# KiCad board JumperlessRev3.kicad_pcb (continued)
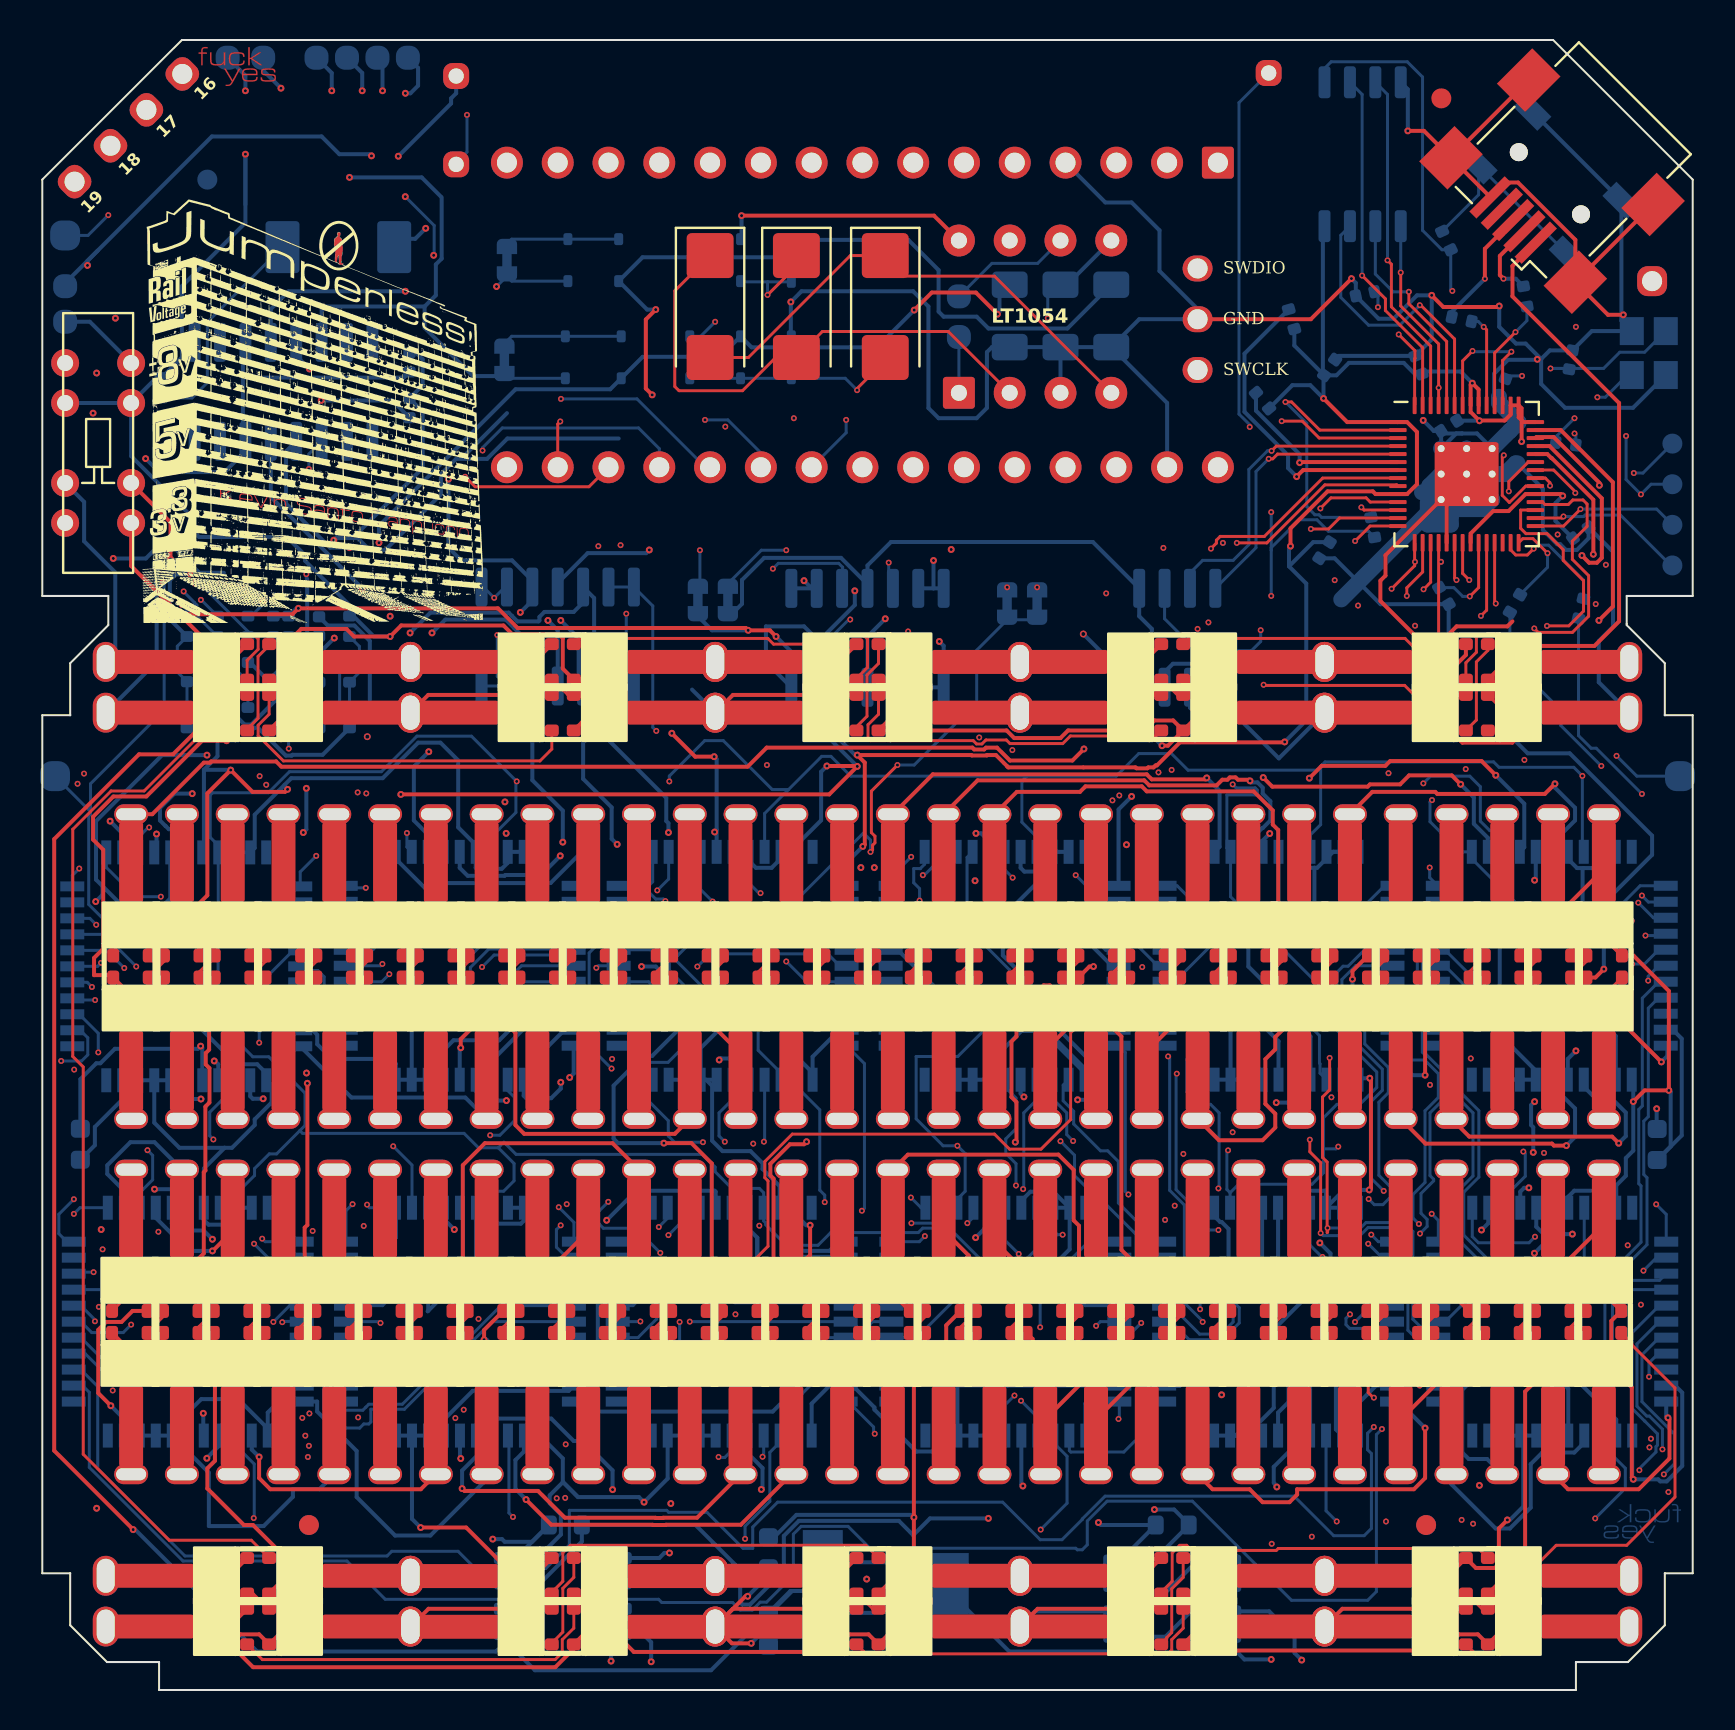
[diagram p0: board, top side]
## Routing (per net, layer and track width the routed paths; a pad name or vN(x,y) marks a point on that pad's centre or on a via; arc(x,y) is an arc through that point) (continued)
UART_Rx: length 56.9
  In1.Cu w0.15: v1(47.88,34.29) 48.13,34.29 48.89,33.53 56.26,33.53 59.06,36.32 77.34,36.32 v1(79.5,38.48)
  In2.Cu w0.15: v1(80.01,44.83) 80.01,40.89 79.38,40.26 79.38,38.61 v1(79.5,38.48)
  Bottom w0.15: v1(80.01,44.83) 77.72,47.12 77.47,47.12 76.84,47.75 R11.2 ; L1.25 42.78,33.83 43.22,33.4 43.56,33.4 43.84,33.68 45.04,33.68 45.06,33.66 47.24,33.66 v1(47.88,34.29)
UART_Tx: length 58.2
  In1.Cu w0.15: v1(44.32,33.27) 44.32,33.08 44.51,32.9 55.98,32.9 59.16,36.07 77.45,36.07 78.82,37.45 v1(79.33,37.45)
  In2.Cu w0.15: v1(77.98,46.23) 79.25,44.95 79.25,40.49 79.12,40.36 79.12,37.65 v1(79.33,37.45)
  Bottom w0.15: R9.2 73.41,51.56 75.95,49.02 75.95,48.26 v1(77.98,46.23) ; L1.24 44.08,33.03 v1(44.32,33.27)
Net-(C14-Pad1): length 11.8
  In2.Cu w0.15: v1(76.64,62.86) 75.44,64.06 v1(75.44,66.12)
  Bottom w0.15: R12.2 76.71,62.8 v1(76.64,62.86) ; Y1.3 80.14,66.93 78.9,66.93 78.09,66.12 v1(75.44,66.12) 76.33,66.12
Net-(D1-DOUT): length 1.4
  Top w0.15: 5.33,35.69 6.09,36.45 D2.3
Net-(D2-DOUT): length 1.4
  Top w0.15: 8.63,36.7 7.87,35.94 D2.1
Net-(D3-DOUT): length 1.4
  Top w0.15: D4.3 11.17,36.45 10.41,35.69
Net-(D4-DOUT): length 1.4
  Top w0.15: 12.95,35.69 13.71,36.45 D5.3
Net-(D5-DOUT): length 1.4
  Top w0.15: 15.49,35.69 16.25,36.45 D6.3
Net-(D6-DOUT): length 1.4
  Top w0.15: 18.03,35.69 18.79,36.45 D7.3
Net-(D7-DOUT): length 1.4
  Top w0.15: 20.57,35.69 21.33,36.45 D8.3
Net-(D8-DOUT): length 1.4
  Top w0.15: D9.3 23.87,36.45 23.11,35.69
Net-(D10-DIN): length 1.4
  Top w0.15: D10.3 26.41,36.45 25.65,35.69
Net-(D10-DOUT): length 1.4
  Top w0.15: 28.96,36.74 28.96,36.45 28.19,35.68
Net-(D11-DOUT): length 1.4
  Top w0.15: 31.5,36.7 30.73,35.93 D11.1
Net-(D12-DOUT): length 1.4
  Top w0.15: D13.3 34.04,36.45 33.28,35.69
Net-(D13-DOUT): length 1.4
  Top w0.15: D13.1 35.82,35.93 36.58,36.7
Net-(D14-DOUT): length 1.4
  Top w0.15: D15.3 39.12,36.45 38.36,35.69
Net-(D15-DOUT): length 1.4
  Top w0.15: 40.9,35.69 41.66,36.45 D16.3
Net-(D16-DOUT): length 1.4
  Top w0.15: D16.1 43.44,35.93 44.2,36.7
Net-(D17-DOUT): length 1.4
  Top w0.15: 46.74,36.7 45.98,35.93 D17.1
Net-(D18-DOUT): length 1.4
  Top w0.15: D18.1 48.52,35.93 49.28,36.7
Net-(D19-DOUT): length 1.4
  Top w0.15: D20.3 51.82,36.45 51.06,35.69
Net-(D20-DOUT): length 1.4
  Top w0.15: D20.1 53.6,35.93 54.36,36.7
Net-(D21-DOUT): length 1.4
  Top w0.15: D22.3 56.91,36.46 56.14,35.69
Net-(D22-DOUT): length 1.4
  Top w0.15: 59.45,36.7 58.69,35.94 D22.1
Net-(D23-DOUT): length 1.4
  Top w0.15: 61.23,35.69 61.99,36.46 D24.3
Net-(D24-DOUT): length 1.4
  Top w0.15: 63.77,35.69 64.53,36.46 D25.3
Net-(D25-DOUT): length 1.4
  Top w0.15: 66.31,35.69 67.07,36.46 D26.3
Net-(D26-DOUT): length 1.4
  Top w0.15: D27.3 69.61,36.46 68.85,35.69
Net-(D27-DOUT): length 1.4
  Top w0.15: 72.15,36.7 71.39,35.94 D27.1
Net-(D28-DOUT): length 1.4
  Top w0.15: D29.3 74.69,36.46 73.93,35.69
Net-(D29-DOUT): length 1.4
  Top w0.15: 76.47,35.69 77.23,36.46 D30.3
Net-(D30-DOUT): length 89.3
  Top w0.15: D30.1 78.18,34.82 62.74,34.82 62.08,34.16 60.15,34.16 60.1,34.12 59.67,34.12 59.63,34.16 53.41,34.16 53.02,34.55 52.48,34.55 52.1,34.17 52.1,33.55 51.44,32.89 51.44,28.54 49.95,27.06 48.38,27.06 47.62,27.81 37.51,27.81 36.14,26.44 36.14,25.63 36.3,25.47 36.3,22.2 33.93,19.83 19.79,19.83 19.61,20.01 13.9,20.01 13.72,20.19 4.72,20.19 D31.3
Net-(D31-DOUT): length 1.4
  Top w0.15: 5.27,17.91 6.04,18.68 D32.3
Net-(D32-DOUT): length 1.4
  Top w0.15: 8.58,18.92 7.82,18.16 D32.1
Net-(D33-DOUT): length 1.4
  Top w0.15: 11.12,18.92 10.36,18.16 D33.1
Net-(D34-DOUT): length 1.4
  Top w0.15: D34.1 12.9,18.16 13.66,18.92
Net-(D35-DOUT): length 1.4
  Top w0.15: D35.1 15.44,18.16 16.2,18.92
Net-(D36-DOUT): length 1.4
  Top w0.15: D37.3 18.74,18.68 17.98,17.91
Net-(D37-DOUT): length 1.4
  Top w0.15: 20.52,17.91 21.28,18.68 D38.3
Net-(D38-DOUT): length 1.4
  Top w0.15: D38.1 23.06,18.16 23.82,18.92
Net-(D39-DOUT): length 1.4
  Top w0.15: D39.1 25.6,18.16 26.36,18.92
Net-(D40-DOUT): length 1.4
  Top w0.15: D41.3 28.91,18.68 28.14,17.91
Net-(D41-DOUT): length 1.4
  Top w0.15: D41.1 30.68,18.16 31.45,18.93
Net-(D42-DOUT): length 1.4
  Top w0.15: 33.23,17.91 33.99,18.67 D43.3
Net-(D43-DOUT): length 1.4
  Top w0.15: D44.3 36.53,18.67 35.77,17.91
Net-(D44-DOUT): length 1.4
  Top w0.15: 39.07,18.92 38.31,18.15 D44.1
Net-(D45-DOUT): length 1.4
  Top w0.15: D46.3 41.61,18.67 40.85,17.91
Net-(D46-DOUT): length 1.4
  Top w0.15: 44.15,18.96 44.15,18.67 43.68,18.2 43.68,18.15 D46.1
Net-(D47-DOUT): length 1.4
  Top w0.15: 46.69,18.92 45.93,18.15 D47.1
Net-(D48-DOUT): length 1.4
  Top w0.15: 49.23,18.92 48.47,18.15 D48.1
Net-(D49-DOUT): length 1.4
  Top w0.15: D50.3 51.78,18.67 51.01,17.9
Net-(D50-DOUT): length 1.4
  Top w0.15: 53.56,17.9 54.33,18.68 D51.3
Net-(D51-DOUT): length 1.4
  Top w0.15: 56.11,17.91 56.88,18.68 D52.3
Net-(D52-DOUT): length 1.4
  Top w0.15: 59.42,18.92 58.66,18.16 D52.1
Net-(D53-DOUT): length 1.4
  Top w0.15: D54.3 61.96,18.68 61.2,17.91
Net-(D54-DOUT): length 1.4
  Top w0.15: D55.3 64.5,18.68 63.74,17.91
Net-(D55-DOUT): length 1.4
  Top w0.15: D56.3 67.04,18.68 66.28,17.91
Net-(D56-DOUT): length 1.4
  Top w0.15: D57.3 69.58,18.68 68.82,17.91
Net-(D57-DOUT): length 1.4
  Top w0.15: 72.12,18.92 71.36,18.16 D57.1
Net-(D58-DOUT): length 1.4
  Top w0.15: D58.1 73.9,18.16 74.66,18.92
Net-(D59-DOUT): length 1.4
  Top w0.15: 77.2,18.92 76.44,18.16 D59.1
Net-(D60-DOUT): length 24.7
  Top w0.15: D60.1 79.5,17.34 79.5,17.28 81.66,15.11 81.66,9.65 79.25,7.24 75.72,7.24 73.53,5.05 73.53,2.54 72.8,1.81 71.68,1.81 D71.3
Net-(D61-A): length 5.2
  Top w0.15: 37.72,71.24 v1(36.28,69.79)
  Bottom w0.15: 36.28,70.45 36.28,70.44 v1(36.28,69.79) ; 36.28,70.45 D61.2 ; 36.28,70.45 34.96,70.45
Net-(D63-K): length 5.7
  Bottom w0.15: JP4.1 23.48,72.58 D64.2 D63.1
Net-(D65-A): length 10.7
  Top w0.15: 42.16,66.52 40.75,65.11 v1(40.75,65.03)
  Bottom w0.15: v1(40.75,65.03) 40.16,65.62 D68.2 D65.2
Net-(D65-K): length 23.3
  In1.Cu w0.15: v1(33.66,68.45) 50.11,68.45 v1(50.29,68.63)
  Bottom w0.15: C4.2 50.29,69.67 v1(50.29,68.63) ; v1(33.66,68.45) 32.93,67.72 D65.1
  Bottom w0.2: 51.26,70.31 U1.5
Net-(D66-A): length 6
  Bottom w0.15: D66.2 D69.1 23.48,67.72 JP8.2
Net-(D71-DOUT): length 1.4
  Top w0.15: 71.25,4.83 72.01,4.06 D71.1
Net-(D72-DOUT): length 18.5
  Top w0.15: D72.1 71.83,7.08 61.82,7.08 61.72,6.98 57.49,6.98 57.24,7.24 56.89,7.24 56.52,6.86 56.52,5.44 55.97,4.89
Net-(D73-DOUT): length 4.8
  Top w0.15: D73.1 57.06,5.64 56.49,5.06 56.49,2.87 56.24,2.62 56.24,2.56 D74.3
Net-(D74-DOUT): length 18.3
  Top w0.15: D74.1 57.06,3.1 56.49,2.52 56.49,2 56.3,1.81 41.2,1.81 D75.3
Net-(D75-DOUT): length 1.4
  Top w0.15: D75.1 41.53,4.06 40.77,4.83
Net-(D76-DOUT): length 18.4
  Top w0.15: 25.48,4.89 26.04,5.44 26.04,6.86 26.41,7.24 41.19,7.24 D76.1
Net-(D77-DOUT): length 4.7
  Top w0.15: D77.1 26.59,5.64 26.04,5.09 26.04,2.9 25.48,2.35
Net-(D78-DOUT): length 18.7
  Top w0.15: D79.3 11.01,1.52 25.65,1.52 26.01,1.88 26.01,2.52 26.59,3.1 D78.1
Net-(D79-DOUT): length 1.4
  Top w0.15: D80.3 10.53,4.83 11.3,4.06
Net-(D80-DOUT): length 60.4
  Top w0.15: D81.3 10.25,51.51 10.8,52.06 10.8,52.58 10.58,52.8 9.87,52.8 8.51,51.44 8.51,48.27 8.01,47.77 7.88,47.77 5.09,44.98 3.44,44.98 1.52,43.06 1.52,31.7 2.05,31.17 2.05,11.8 6.35,7.49 10.46,7.49 D80.1
Net-(D81-DOUT): length 4.6
  Top w0.15: 10.25,48.07 10.79,48.62 10.79,51.71 11.34,52.26
Net-(D82-DOUT): length 18.7
  Top w0.15: D83.3 25.48,47.07 24.89,46.48 12.06,46.48 10.8,47.75 10.8,48.27 11.34,48.82 D82.1
Net-(D83-DOUT): length 1.4
  Top w0.15: 25.53,50.55 26.29,49.78 D83.1
Net-(D84-DOUT): length 17.4
  Top w0.15: D84.1 26.87,52.61 36.29,52.61 36.58,52.32 39.88,52.32 40.35,52.8 41.06,52.8 41.28,52.58 41.28,51.16 40.72,50.61
Net-(D85-DOUT): length 4.6
  Top w0.15: D85.1 41.83,51.36 41.25,50.78 41.25,48.72 40.72,48.19
Net-(D86-DOUT): length 17.6
  Top w0.15: D87.3 55.69,47.73 51.42,47.73 51.04,47.35 48.4,47.35 48.22,47.53 47.2,47.53 47,47.33 46.73,47.33 46.56,47.5 41.4,47.5 41.3,47.6 41.3,48.29 41.83,48.82 D86.1
Net-(D87-DOUT): length 1.4
  Top w0.15: D87.1 56.77,49.78 56.01,50.55
Net-(D88-DOUT): length 18.4
  Top w0.15: D88.1 57.35,52.61 68.16,52.61 69.1,51.67 70.09,51.67 70.25,51.83 70.25,52.31 70.74,52.8 71.66,52.8 71.73,52.73 71.73,51.92 71.2,51.39 D89.3
Net-(D89-DOUT): length 4.8
  Top w0.15: D89.1 72.31,52.01 71.73,51.44 71.73,48.53 D90.3
Net-(D90-DOUT): length 48.7
  Top w0.15: 70.95,47.45 68.14,50.26 61.12,50.26 v1(61.09,50.29) ; 70.95,47.45 71.03,47.37 ; 70.95,47.45 71.03,47.37 ; 71.03,47.37 73.53,47.37 73.79,47.62 73.79,48.3 D90.1
  In2.Cu w0.15: v1(60.39,63.19) 60.59,62.99 60.59,57.25 60.47,57.13 60.47,50.91 v1(61.09,50.29)
  Bottom w0.15: v1(60.39,63.19) 60.39,63.3 59.86,63.83 59.86,79.41 TP20.1
Net-(D91-A): length 10.9
  Bottom w0.15: R24.1 7.49,64.64 8.26,65.4 8.26,68.43 D91.2
Net-(R13-Pad1): length 4
  Bottom w0.15: R18.2 R15.1 15.86,50.91 15.86,52.21 R13.1
Net-(R16-Pad1): length 1.3
  Bottom w0.15: R16.1 R20.2
Net-(TP15-Pad1): length 89.2
  In2.Cu w0.15: v1(21.24,78.8) 21.67,78.37 60.59,78.37 60.66,78.31 65.96,78.31 79.93,64.34 79.93,60.75 79.57,60.39 79.57,56.56 78.49,55.47 78.49,46.99 v1(78.74,46.74)
  Bottom w0.15: 20.7,76.4 21.24,76.94 v1(21.24,78.8) ; v1(78.74,46.74) 79.76,45.72 TP15.1
Net-(U1-CAP+): length 25.6
  Top w0.15: C2.2 39.02,67.96 45.32,67.96 U1.2 ; 36.69,66.66 35.03,65 31.84,65 31.64,65.21 31.64,70 C3.1
Net-(U1-CAP-): length 24.6
  Top w0.15: C3.2 35.32,66.66 40.42,71.76 C5.1 ; 42.16,70.73 47.63,70.73 U1.4
Net-(U1-FB/SHDN): length 2.8
  Bottom w0.15: TP5.1 U1.1
Net-(U1-VREF): length 6.2
  Bottom w0.15: U1.6 49.78,71.37 47.5,71.37 TP6.1
Net-(U7A--): length 18.5
  In1.Cu w0.15: v1(6.98,54.28) 7.76,55.06 11.48,55.06 11.82,54.72 22.53,54.72 v1(22.6,54.64)
  Bottom w0.15: v1(6.98,54.28) 7.24,54.03 R6.1 ; 21.98,55.17 22.07,55.17 v1(22.6,54.64) 23.13,55.17 23.23,55.17
Net-(U7B--): length 28.7
  In1.Cu w0.15: v1(12.33,47.1) 13.07,47.1 13.32,47.34 16.4,47.34 16.46,47.4 26.07,47.4 26.65,47.98 v1(30.71,47.98)
  Bottom w0.15: v1(30.71,47.98) 30.54,48.16 30.54,54.24 U7.7 U7.6 ; R17.1 12.32,47.1 v1(12.33,47.1)
Net-(U7C--): length 28
  In1.Cu w0.15: v1(29.21,53.85) 28.74,54.32 13.39,54.32 13.24,54.47 11.53,54.47 11.18,54.81 8.2,54.81 v1(7.93,54.54)
  Bottom w0.15: R8.1 7.95,54.54 v1(7.93,54.54) ; U7.9 U7.8 29.21,50.61 v1(29.21,53.85)
Net-(U7D--): length 17.4
  In1.Cu w0.15: v1(22.76,52.78) 22.3,53.23 12.3,53.23 v1(11.05,54.48)
  Bottom w0.15: 10.45,53.73 11.05,54.33 v1(11.05,54.48) ; U7.14 U7.13 22.76,50.71 v1(22.76,52.78)
Net-(U9-GPIO0): length 15.3
  Top w0.15: v1(62.18,64.44) 62.49,64.44 63.89,63.03 U9.2
  Bottom w0.15: v1(62.18,64.44) 63.25,63.37 63.25,59.2 63.65,58.8 63.86,58.8 63.99,58.67 R7.1
Net-(U9-USB_DM): length 5.6
  Top w0.15: 72.64,64.27 72.64,66.89 v1(73.68,67.93)
  Bottom w0.15: v1(73.68,67.93) 74.26,68.51 R3.2
Net-(U9-USB_DP): length 4.7
  Top w0.15: U9.47 72.24,68.05 v1(72.09,68.19)
  Bottom w0.15: R2.2 71.82,68.47 v1(72.09,68.19)
Net-(U10B--): length 19.3
  In2.Cu w0.15: v1(13.32,48.04) 13.64,48.36 13.64,60.78 v1(13.34,61.09)
  Bottom w0.15: v1(13.34,61.09) 13.34,61.84 U10.11 ; R15.2 14.87,50.94 14.87,49.16 R20.1 ; v1(13.32,48.04) 13.34,48.02 13.73,48.02
Net-(U11A-+): length 42.5
  In1.Cu w0.15: v1(36.54,56.1) 14.13,56.1 14.1,56.13
  In1.Cu w0.2: 14.1,56.13 13.84,56.39 7.98,56.39 v1(7.4,55.81)
  Bottom w0.15: 40.03,55.11 40.03,56.17 39.83,56.37 36.81,56.37 v1(36.54,56.1) ; R21.1 C17.1 6.75,50.93 6.75,52.22 R6.2
  Bottom w0.2: v1(7.4,55.81) 6.68,55.81 6.38,55.52 6.38,53.56 R6.2
Net-(U11B-+): length 45.2
  In1.Cu w0.15: v1(7.07,54.96) 7.06,54.96 6.79,55.24 6.79,55.69 7.51,56.42 7.62,56.42 7.86,56.66 13.96,56.66 14.2,56.42 42.32,56.42 v1(42.34,56.4)
  Bottom w0.15: R22.1 C22.1 8.28,50.96 8.28,52.22 R8.2 7.73,53.73 7.73,54.28 7.61,54.4 7.61,54.41 7.07,54.95 v1(7.07,54.96) ; v1(42.34,56.4) 42.34,55.32 U11.5
Net-(U11C-+): length 48.2
  In1.Cu w0.15: v1(7.62,55.37) 7.75,55.5 9.14,55.5 9.65,56.01 12.32,56.01 12.83,55.5 37.14,55.5 39.42,53.21 43.05,53.21 v1(43.31,52.96)
  Bottom w0.15: R23.1 C23.1 9.8,50.93 9.8,52.22 R10.2 10.29,52.96 7.87,55.37 v1(7.62,55.37) ; v1(43.31,52.96) 42.55,52.2 U11.10
Net-(U11D-+): length 41.3
  In1.Cu w0.15: v1(40.41,53.56) 39.43,53.56 37.22,55.77 22.52,55.77 22.49,55.75 13.28,55.75 v1(13.21,55.82)
  Bottom w0.15: R14.2 R29.2 ; 40.2,50.36 39.48,51.08 39.48,52.69 40.34,53.56 v1(40.41,53.56) ; 13.25,52.66 13.32,52.73 C24.1 ; 13.25,55.59 13.21,55.63 v1(13.21,55.82)
  Bottom w0.2: R17.2 R19.1 12.96,51.06 12.96,52.02 12.78,52.2 ; 13.25,55.59 13.25,52.66 12.78,52.2 ; 12.78,52.2 12.7,52.2 12.32,52.58

## Copper pours and planes (outline as drawn; the poured copper is in the pictures)
GND on Top: 9.14,73.96 9.37,73.86 9.37,73.71 13.89,71.78 14,71.6 14.2,71.27 14.63,71.02 15.04,71.02 15.34,71.2 20.14,69.27 20.12,69.09 21.26,68.68 21.23,68.55 21.72,68.35 21.74,66.98 21.69,66.95 21.54,66.93 21.54,66.78 21.67,66.73 21.92,58.42 22.05,56.39 22.12,54.36 22.02,53.49 5.05,53.39 5,56.11 5.51,56.11 5.51,57.73 5.44,57.78 5.41,57.84 5.38,57.91 5.38,58.12 5.51,58.14 5.51,58.55 5.38,58.57 5.41,58.78 5.46,58.9 5.51,58.95 5.51,65.66 5.36,65.71 5.36,65.84 5.51,65.89 5.51,65.96 5.49,65.99 5.49,66.24 5.33,66.22 5.33,66.37 5.49,66.4 5.49,66.67 5.51,66.67 5.51,68.4 5.41,68.4 5.31,69.16 5.51,69.21 5.51,69.32 5.31,69.34 5.31,70.59 5.54,70.66 5.54,71.2 5.26,71.32 5.23,73.2 6.2,73.53 6.2,73.99 6.55,73.89 7.32,74.57 8.43,74.29 8.43,74.27
GND on Top: 88.14,83.05 -5.69,82.41 -7.14,45.78 88.01,45.91 88.01,83.15
GND on Bottom: 72.05,66.29 71.47,66.47 70.76,66.59 69.79,66.62 68.57,66.49 67.81,66.29 66.59,65.73 65.7,65.15 64.91,64.46 63.95,63.14 63.41,61.92 63.08,60.45 63.08,59.36 63.29,57.96 63.72,56.87 64.46,55.6 65.42,54.66 66.01,54.15 66.97,53.56 68.24,53.13 69.84,52.93 70.88,53.01 72.15,53.29 73.47,53.89 74.46,54.66 75.18,55.37 75.73,56.1 76.29,57.2 76.7,58.64 76.78,60.24 76.47,61.79 75.68,63.5 75.07,64.31 74.34,64.97 73.68,65.5 72.86,65.96
GND on Bottom, In1.Cu, In2.Cu: 87.2,83.06 -6.63,82.43 -7.47,-7.03 87.68,-6.9 87.07,83.16

Small or netless copper shapes (teardrops, artwork), in the pictures only: 30 on Top, 7 on Bottom

## Text on the board
B.Silkscreen: JLCJLCJLCJLC | 0 | 1 | ADC | 2 | 3 | DAC | +7V | -7V | CURRENT SENSE | +8V | -8V | CUT  FOR  +-7V | D1    D0   RST  GND   D2    D3    D4    D5    D6    D7    D8    D9    D10   D11   D12 | VIN  GND  RST  5V    A7    A6    A5    A4    A3    A2    A1    A0 AREF 3.3V  D13 | RESET | +-8V | SWDIO | GND | SWCLK | 16 / 17 / 18 / 19 | GPIO | E | A | F | B | I | J | L | K | G | C | D | H | NANO | 5V           3V | 5V | 16     17     18     19 | 0           1
F.Silkscreen: 19     18     17     16
